# KiCad board Right.kicad_pcb (continued)
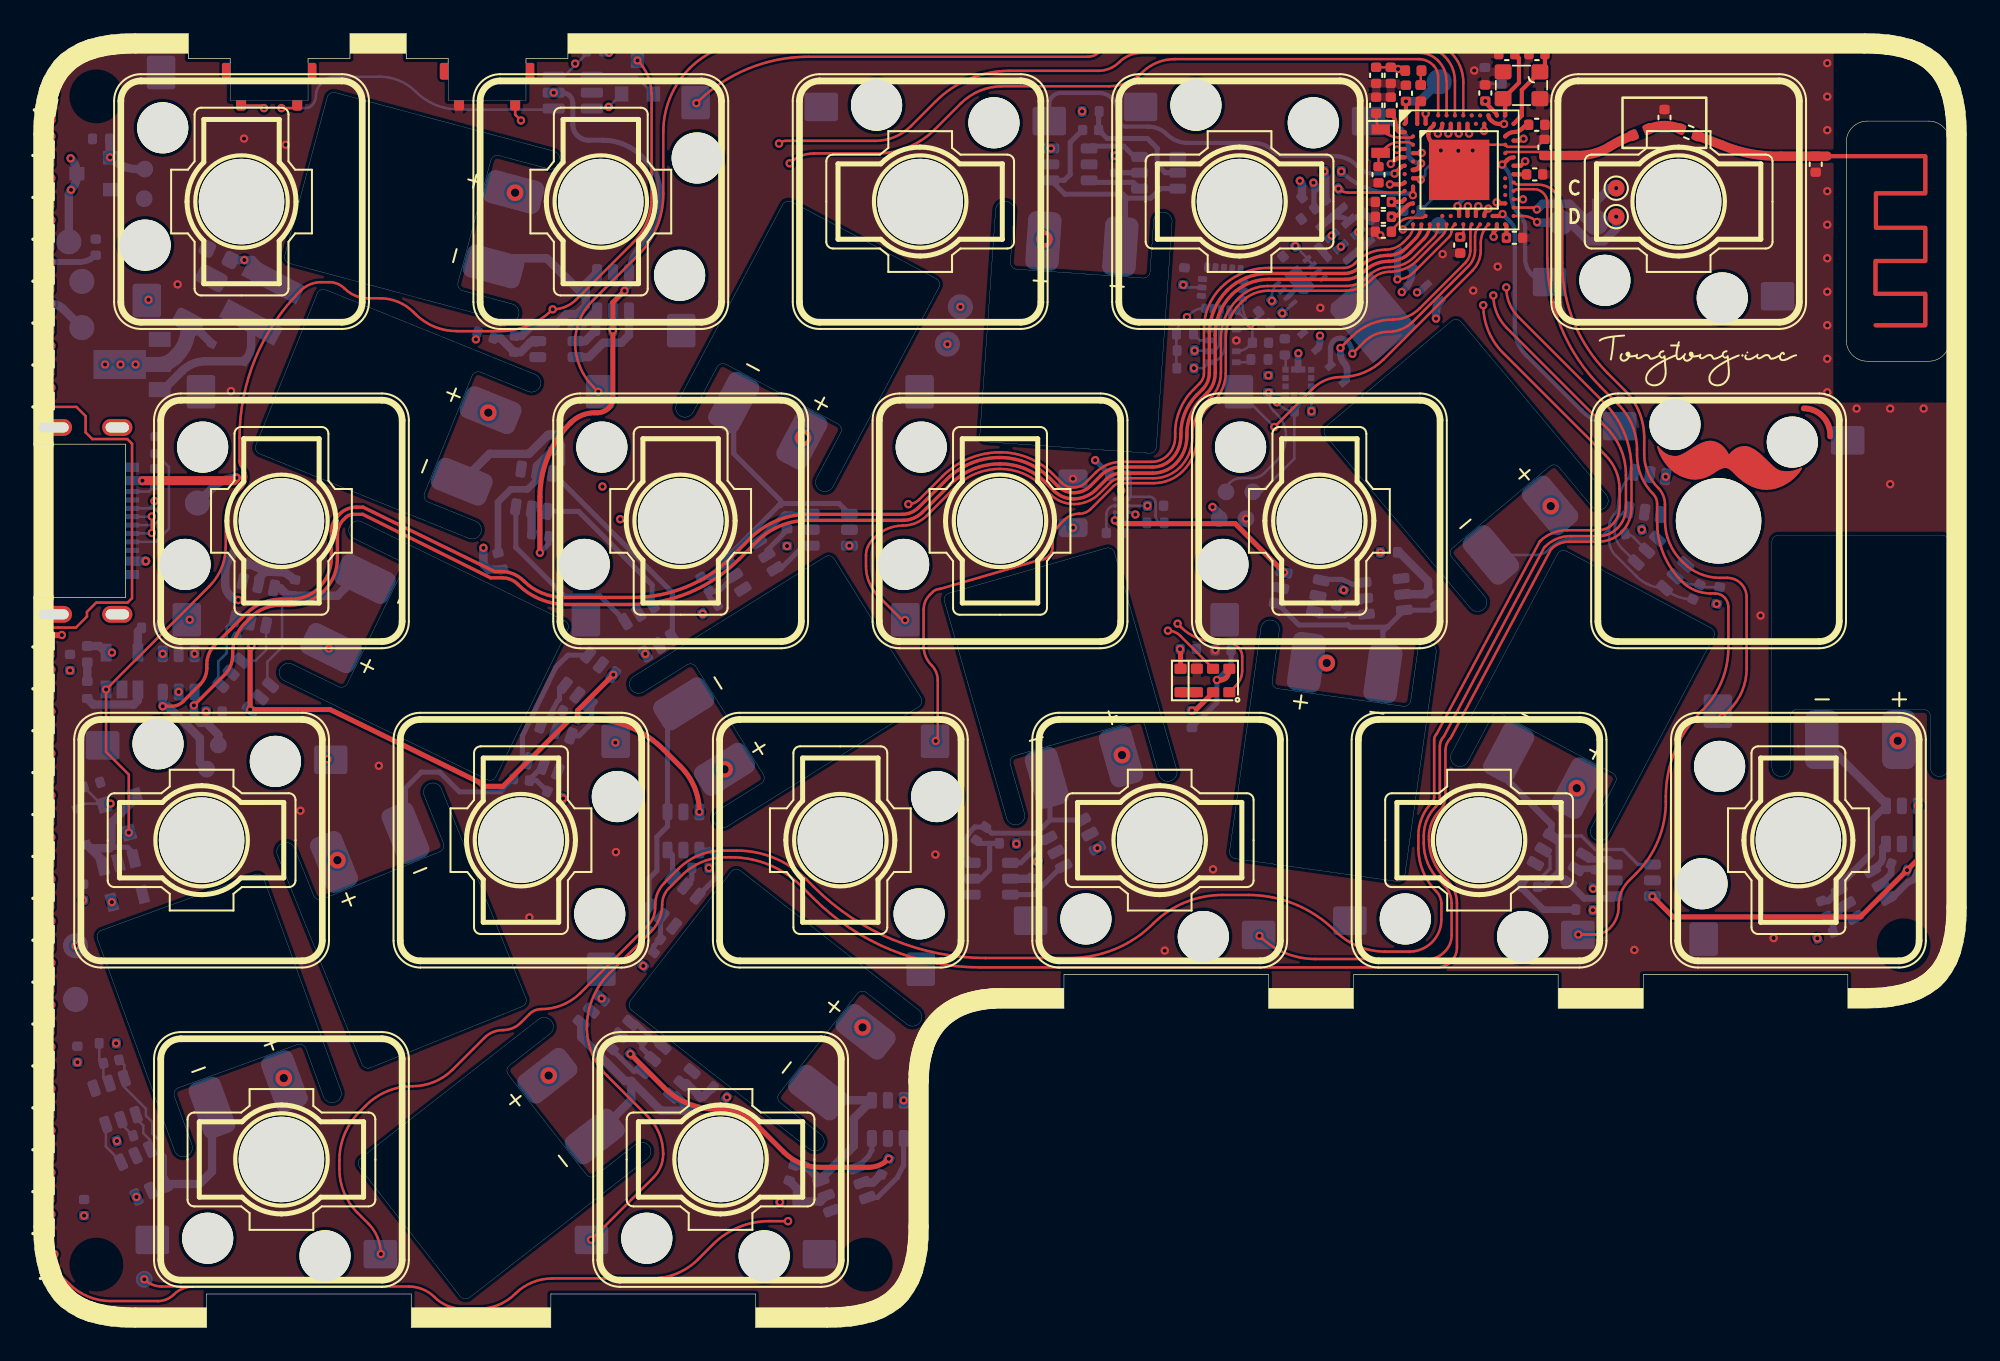
[diagram p0: board, top side]
## Footprints (pads in the part's own frame, mm; a bottom-side part is the same pattern mirrored in y, then rotated) (continued)
SOT-23
  rect 0.9x0.8 smd: 1(-1,0.95) 2(-1,-0.95) 3(1,0)
SOT-23-5
  rect 1.06x0.65 smd: 1(-1.1,0.95) 2(-1.1,0) 3(-1.1,-0.95) 4(1.1,-0.95) 5(1.1,0.95)
SOT-23-6
  rrect 1.325x0.6 smd: 1(-1.137,0.95) 2(-1.137,0) 3(-1.137,-0.95) 4(1.137,-0.95) 5(1.137,0) 6(1.137,0.95)
SOT-23-6-Small
  rrect 1x0.6 smd: 1(-1.137,0.95) 2(-1.137,0) 3(-1.137,-0.95) 4(1.137,-0.95) 5(1.137,0) 6(1.137,0.95)
SOT-89-3
  rect 1.3x0.9 smd: 1(-1.65,1.5) 3(-1.65,-1.5)
  custom 4.6x1.733 smd: 2(-1.562,0)
SPK0415HM4H
  rrect 0.45x0.95 smd: 1(0.425,-0.675) 2(0.425,0.675) 3(-0.425,0.675) 4(-0.425,-0.675)
  rrect 1.3x0.45 smd: 5(0,-1.688) 7(0,1.688)
  rrect 0.45x2.3 smd: 6(1.275,0.05) 8(-1.275,0)
TestPoint_Pad_D1.0mm
  round 1 smd: 1(0,0)
TestPoint_Pad_D1.5mm
  round 1.5 smd: 1(0,0)
USB-C_C168688
  rect 0.54x0.8 smd: A1(-3.205,-0.4) A1(3.195,-0.4) A4(-2.405,-0.4) A4(2.395,-0.4)
  rect 0.3x0.8 smd: A5(1.245,-0.4) A6(0.245,-0.4) A7(-0.255,-0.4) A8(-1.255,-0.4) B5(-1.755,-0.4) B6(-0.755,-0.4) B7(0.745,-0.4) B8(1.753,-0.4)
  oval 1x2.2 hole 0.6x1.8: S1(-5.58,4.3) S2(5.57,4.3)
  oval 1x1.8 hole 0.6x1.4: S3(5.571,0.5) S4(-5.58,0.5)
WLP-9_1.448x1.468mm_Layout3x3_P0.4mm_Ball0.27mm_Pad0.25mm
  round 0.27 smd: A1(-0.4,0.4) A2(0,0.4) A3(0.4,0.4) B1(-0.4,0) B2(0,0) B3(0.4,0) C1(-0.4,-0.4) C2(0,-0.4) C3(0.4,-0.4)
WSON8
  rrect 0.6x0.4 smd: 1(-3.75,1.905) 2(-3.75,0.635) 3(-3.75,-0.635) 4(-3.77,-1.905) 5(3.73,-1.905) 6(3.75,-0.635) 7(3.75,0.635) 8(3.75,1.905)
  rrect 3.4x4.3 smd: 9(0,0)

## Nets
/ExtVcc/GND_EN: Q33.1 R46.1 REF**#9.1 U30.R1
/Filter&Reg/VBAT: C42.1 Q1.3 Q2.3 R40.1 REF**#6.1 U31.B1 U33.3
GND: C16.1 C17.1 C18.1 C19.1 C20.1 C21.2 C22.2 C23.2 C24.1 C25.1 C26.1 C27.1 C28.1 C29.2 C30.2 C31.1 C32.1 C33.1 C34.1 C35.1 C36.1 C37.1 C38.2 C39.1 C40.2 C41.1 C42.2 C43.2 C44.2 C45.1 C46.2 C47.1 C48.1 C49.2 J1.A1 K1.2 K2.2 K3.1 K4.1 K5.1 K6.2 K7.1 K8.2 K9.1 K10.2 K11.1 K12.2 K13.2 K14.2 K15.2 K16.1 K17.2 K18.1 Q33.2 R1.2 R33.2 R34.2 R38.2 R41.2 R42.2 R45.2 R46.2 R47.2 R50.1 REF**#8.1 REF**#15.1 REF**#16.1 REF**#18.1 REF**#19.1 U1.2 U28.2 U29.2 U30.B7 U30.EP U30.F23 U31.A3 U32.1 U33.2 U34.4 U34.8 U34.9 U34.10 U34.11 U34.12 U34.13 U34.15 U35.1 U35.7 U36.2 U36.7 U36.8 U36.9 U37.6 U38.2 U38.5 U38.6 U38.7 U38.8 U39.4 U40.2 U40.3 U40.9 U40.12 X2.2 X2.4
GND1: Q3.3 Q4.3 Q5.3 Q6.3 Q7.3 Q8.3 Q9.3 Q10.3 Q19.3 Q20.3 Q21.3 Q22.3 Q27.3 Q28.3 Q29.3 R2.2 R3.1 R4.1 R5.1 R6.1 R7.1 R8.1 R9.1 R10.1 R19.1 R20.1 R21.1 R22.1 R27.1 R28.1 R29.1 R42.1 REF**#7.1 TH1.2 U2.2 U3.2 U31.C3
VBUS: C21.1 D1.2 D4.2 J1.A4 Q1.1 R1.1 REF**#23.1 U28.5 U30.AD2 U33.4
/BAROMETRIC/CSB: R48.1 U35.2
/BAROMETRIC/NRF_VDD: C24.2 C25.2 C28.2 C31.2 C32.2 C33.2 C43.1 C45.2 C46.1 C47.2 C48.2 L4.1 R35.2 R36.2 R37.2 R48.2 R49.2 R51.2 R52.2 R53.2 R54.2 R55.2 R56.2 REF**#14.1 REF**#21.1 U1.5 U30.A22 U30.AD14 U30.AD23 U30.B1 U30.W1 U30.Y2 U34.1 U34.5 U34.16 U35.6 U35.8 U36.5 U36.6 U37.5 U37.8 U38.1 U39.8 U40.5 U40.6 U40.10
/BAROMETRIC/SDO: R50.2 U35.5
/FLASH/QSPI_CS: U30.AD16 U39.1
/FLASH/QSPI_DATA0: U30.AD12 U39.5
/FLASH/QSPI_DATA1: U30.AD18 U39.2
/FLASH/QSPI_DATA2: U30.AC19 U39.3
/FLASH/QSPI_DATA3: U30.AC17 U39.7
/FLASH/QSPI_SCK: U30.AC15 U39.6
/FuelGauge/BatteryPin: R40.2 R41.1 U30.J1
/Gyro/Gyro_Interupt: R47.1 U30.B19 U34.7
/LEDLane/DIN: REF**#4.1 U27.4 U30.W24
/LEDLane/Led_Ground: Q33.3 REF**#20.1 U4.3 U5.3 U6.3 U7.3 U8.3 U9.3 U10.3 U11.3 U12.3 U13.3 U14.3 U15.3 U16.3 U17.3 U18.3 U19.3 U20.3 U21.3 U22.3 U23.3 U24.3 U25.3 U26.3 U27.3
/LEDLane/Led_Vin: C16.2 C17.2 C18.2 C19.2 C20.2 C44.1 D3.1 REF**#12.1 U4.2 U5.2 U6.2 U7.2 U8.2 U9.2 U10.2 U11.2 U12.2 U13.2 U14.2 U15.2 U16.2 U17.2 U18.2 U19.2 U20.2 U21.2 U22.2 U23.2 U24.2 U25.2 U26.2 U27.2 U32.2
/LIGHT/APDS_IRQ: R54.1 U30.AD22 U37.2
/MCU/BatOffPin: R2.1 U3.3 U30.Y23
/MCU/D+: REF**#10.1 U28.4 U30.AD6
/MCU/D-: REF**#11.1 U28.6 U30.AD4
/MCU/PDM_CLK: U30.H2 U38.3
/MCU/PDM_DAT: U30.G1 U38.4
/MCU/SWC: REF**#2.1 REF**#13.1 U30.AA24
/MCU/SWD: REF**.1 REF**#3.1 U30.AC24
B1-: B1.1 C1.2 Q3.1 Q11.6
B2-: B2.1 C2.2 Q4.1 Q12.6
B3-: B3.1 C3.2 Q5.1 Q13.6
B4-: B4.1 C4.2 Q6.1 Q14.6
B5-: B5.1 C5.2 Q7.1 Q15.6
B6-: B6.1 C6.2 Q8.1 Q16.6
B7-: B7.1 C7.2 Q9.1 Q17.6
B8-: B8.1 C8.2 Q10.1 Q18.6
B9-: B9.1 C9.2 Q19.1 Q23.6
B10-: B10.1 C10.2 Q20.1 Q24.6
B11-: B11.1 C11.2 Q21.1 Q25.6
B12-: B12.1 C12.2 Q22.1 Q26.6
B13-: B13.1 C13.2 Q27.1 Q30.6
B14-: B14.1 C14.2 Q28.1 Q31.6
B15-: B15.1 C15.2 Q29.1 Q32.6
B+: B1.2 B2.2 B3.2 B4.2 B5.2 B6.2 B7.2 B8.2 B9.2 B10.2 B11.2 B12.2 B13.2 B14.2 B15.2 Q2.2 R11.1 R12.1 R13.1 R14.1 R15.1 R16.1 R17.1 R18.1 R23.1 R24.1 R25.1 R26.1 R30.1 R31.1 R32.1 REF**#22.1 U3.6
CC1: J1.A5 R33.1
CC2: J1.B5 R34.1
DCCH: U30.AB2
P0.02: K2.1 U30.A12
P0.03: K18.2 U30.B13
P0.06: K3.2 U30.L1
P0.07: K4.2 U30.M2
P0.08: U30.N1
P0.09: K17.1 U30.L24
P0.10: K5.2 U30.J24
P0.13: K8.1 U30.AD8
P0.14: U30.AC9
P0.15: K13.1 U30.AD10
P0.16: U30.AC11
P0.24: K9.2 U30.AD20
P0.25: K10.1 U30.AC21
P0.28: K1.1 U30.B11
P0.29: K11.2 U30.A10
P0.30: K6.1 U30.B9
P0.31: K12.1 U30.A8
P1.03: U30.V23
P1.04: K15.1 U30.U24
P1.05: U30.T23
P1.06: K16.2 U30.R24
P1.07: U30.P23
P1.12: U30.B17
P1.13: U30.A16
P1.14: K14.1 U30.B15
P1.15: K7.2 U30.A14
PROG: U30.K2
SCL: R36.1 R49.1 R53.1 R55.1 REF**#5.1 U30.T2 U31.A2 U34.2 U35.4 U36.4 U37.7 U40.1
SDA: R37.1 R51.1 R52.1 R56.1 REF**#17.1 U30.U1 U31.C1 U34.3 U35.3 U36.1 U37.1 U40.11
Net-(AE1-Pad1): AE1.1 C40.1 R39.2
Net-(C1-Pad1): C1.1 Q11.5 R11.2
Net-(C2-Pad1): C2.1 Q12.5 R12.2
Net-(C3-Pad1): C3.1 Q13.5 R13.2
Net-(C4-Pad1): C4.1 Q14.5 R14.2
Net-(C5-Pad1): C5.1 Q15.5 R15.2
Net-(C6-Pad1): C6.1 Q16.5 R16.2
Net-(C7-Pad1): C7.1 Q17.5 R17.2
Net-(C8-Pad1): C8.1 Q18.5 R18.2
Net-(C9-Pad1): C9.1 Q23.5 R23.2
Net-(C10-Pad1): C10.1 Q24.5 R24.2
Net-(C11-Pad1): C11.1 Q25.5 R25.2
Net-(C12-Pad1): C12.1 Q26.5 R26.2
Net-(C13-Pad1): C13.1 Q30.5 R30.2
Net-(C14-Pad1): C14.1 Q31.5 R31.2
Net-(C15-Pad1): C15.1 Q32.5 R32.2
Net-(C22-Pad1): C22.1 U30.D2 X1.1
Net-(C23-Pad1): C23.1 U30.F2 X1.2
Net-(C26-Pad2): C26.2 U30.C1
Net-(C27-Pad2): C27.2 U30.AC5
Net-(C29-Pad1): C29.1 C30.1 L1.1 U30.B5 U30.E24
Net-(C34-Pad2): C34.2 U30.N24
Net-(C35-Pad2): C35.2 L3.1 U30.H23
Net-(C36-Pad2): C36.2 U30.A23 X2.3
Net-(C37-Pad2): C37.2 U30.B24 X2.1
Net-(C38-Pad1): C38.1 U30.D23
Net-(C39-Pad2): C39.2 L3.2 R39.1
Net-(C41-Pad2): C41.2 U31.B3
Net-(C49-Pad1): C49.1 U40.4
Net-(D1-Pad1): D1.1 Q1.2 U1.1 U1.3
Net-(D2-Pad1): D2.1 R38.1
Net-(D2-Pad2): D2.2 U30.A20
Net-(D3-Pad2): D3.2 L4.2 U32.3
Net-(D4-Pad1): D4.1 R44.1
Net-(J1-PadA6): J1.A6 J1.B6 U28.3
Net-(J1-PadA7): J1.A7 J1.B7 U28.1
Net-(JP1-Pad1): JP1.1 JP2.2 R35.1 U29.3
Net-(JP1-Pad2): JP1.2 U30.P2
Net-(JP2-Pad1): JP2.1 U30.AC13
Net-(L1-Pad2): L1.2 L2.1
Net-(L2-Pad2): L2.2 U30.B3
Net-(Q2-Pad1): Q2.1 U3.4
Net-(Q10-Pad4): Q10.4 Q18.3
Net-(Q10-Pad6): Q10.6 Q18.1
Net-(Q11-Pad1): Q3.6 Q11.1
Net-(Q11-Pad2): Q11.2 R3.2
Net-(Q11-Pad3): Q3.4 Q11.3
Net-(Q12-Pad1): Q4.6 Q12.1
Net-(Q12-Pad2): Q12.2 R4.2
Net-(Q12-Pad3): Q4.4 Q12.3
Net-(Q13-Pad1): Q5.6 Q13.1
Net-(Q13-Pad2): Q13.2 R5.2
Net-(Q13-Pad3): Q5.4 Q13.3
Net-(Q14-Pad1): Q6.6 Q14.1
Net-(Q14-Pad2): Q14.2 R6.2
Net-(Q14-Pad3): Q6.4 Q14.3
Net-(Q15-Pad1): Q7.6 Q15.1
Net-(Q15-Pad2): Q15.2 R7.2
Net-(Q15-Pad3): Q7.4 Q15.3
Net-(Q16-Pad1): Q8.6 Q16.1
Net-(Q16-Pad2): Q16.2 R8.2
Net-(Q16-Pad3): Q8.4 Q16.3
Net-(Q17-Pad1): Q9.6 Q17.1
Net-(Q17-Pad2): Q17.2 R9.2
Net-(Q17-Pad3): Q9.4 Q17.3
Net-(Q18-Pad2): Q18.2 R10.2
Net-(Q19-Pad4): Q19.4 Q23.3
Net-(Q19-Pad6): Q19.6 Q23.1
Net-(Q20-Pad4): Q20.4 Q24.3
Net-(Q20-Pad6): Q20.6 Q24.1
Net-(Q21-Pad4): Q21.4 Q25.3
Net-(Q21-Pad6): Q21.6 Q25.1
Net-(Q22-Pad4): Q22.4 Q26.3
Net-(Q22-Pad6): Q22.6 Q26.1
Net-(Q23-Pad2): Q23.2 R19.2
Net-(Q24-Pad2): Q24.2 R20.2
Net-(Q25-Pad2): Q25.2 R21.2
Net-(Q26-Pad2): Q26.2 R22.2
Net-(Q27-Pad4): Q27.4 Q30.3
Net-(Q27-Pad6): Q27.6 Q30.1
Net-(Q28-Pad4): Q28.4 Q31.3
Net-(Q28-Pad6): Q28.6 Q31.1
Net-(Q29-Pad4): Q29.4 Q32.3
Net-(Q29-Pad6): Q29.6 Q32.1
Net-(Q30-Pad2): Q30.2 R27.2
Net-(Q31-Pad2): Q31.2 R28.2
Net-(Q32-Pad2): Q32.2 R29.2
Net-(R43-Pad1): R43.1 TH1.1 U31.A1
Net-(R43-Pad2): R43.2 U31.C2
Net-(R44-Pad2): R44.2 U33.1
Net-(R45-Pad1): R45.1 U33.5
Net-(U2-Pad3): U2.3 U3.1
Net-(U4-Pad4): U4.4 U5.1
Net-(U5-Pad4): U5.4 U6.1
Net-(U6-Pad4): U6.4 U7.1
Net-(U7-Pad4): U7.4 U8.1
Net-(U8-Pad4): U8.4 U9.1
Net-(U10-Pad1): U9.4 U10.1
Net-(U10-Pad4): U10.4 U11.1
Net-(U11-Pad4): U11.4 U12.1
Net-(U12-Pad4): U12.4 U13.1
Net-(U13-Pad4): U13.4 U14.1
Net-(U14-Pad4): U14.4 U15.1
Net-(U15-Pad4): U15.4 U16.1
Net-(U16-Pad4): U16.4 U17.1
Net-(U17-Pad4): U17.4 U18.1
Net-(U18-Pad4): U18.4 U19.1
Net-(U19-Pad4): U19.4 U20.1
Net-(U20-Pad4): U20.4 U21.1
Net-(U21-Pad4): U21.4 U22.1
Net-(U22-Pad4): U22.4 U23.1
Net-(U23-Pad4): U23.4 U24.1
Net-(U24-Pad4): U24.4 U25.1
Net-(U25-Pad4): U25.4 U26.1
Net-(U26-Pad4): U26.4 U27.1
Net-(U37-Pad3): U37.3 U37.4

Pads without a net: J1 A8 B8 S1 S2 S3 S4; Q3 2 5; Q4 2 5; Q5 2 5; Q6 2 5; Q7 2 5; Q8 2 5; Q9 2 5; Q10 2 5; Q11 4; Q12 4; Q13 4; Q14 4; Q15 4; Q16 4; Q17 4; Q18 4; Q19 2 5; Q20 2 5; Q21 2 5; Q22 2 5; Q23 4; Q24 4; Q25 4; Q26 4; Q27 2 5; Q28 2 5; Q29 2 5; Q30 4; Q31 4; Q32 4; U1 4; U2 1 4; U3 5; U4 1; U29 1 4; U30 A18; U31 B2; U34 6 14; U36 3; U39 9; U40 7 8

## Via types
v1: diameter 1, hole 0.5, Top to Bottom, 14 vias
v2: diameter 0.5, hole 0.25, Top to Bottom, 322 vias
v3: diameter 0.54, hole 0.25, Top to Bottom, 2 vias

## Routing (per net, layer and track width the routed paths; a pad name or vN(x,y) marks a point on that pad's centre or on a via; arc(x,y) is an arc through that point)
/ExtVcc/GND_EN: length 104.3
  Top w0.25: v2(80.91,68.2) 81.51,68.2 arc(81.66,68.23) U30.R1
  In1.Cu w0.15: v2(4.57,69.81) arc(4.83,71.15) 5.59,72.29 6.3,72.99 arc(6.95,73.43) 7.72,73.58 7.8,73.58 arc(8.52,73.44) 9.13,73.03 9.15,73.01 arc(10.12,72.36) 11.27,72.13 15.12,72.13 arc(15.94,72.3) 16.64,72.76 arc(16.89,73.14) 16.98,73.59 16.98,73.69 arc(17.1,73.99) 17.4,74.11 21.43,74.11 arc(22.68,73.86) 23.75,73.15 arc(24.49,72.66) 25.36,72.48 26.99,72.48 arc(27.41,72.4) 27.77,72.16 27.84,72.09 arc(28.47,71.67) 29.21,71.52 arc(31,71.88) 32.52,72.9 35.43,75.81 arc(35.77,76.04) 36.17,76.11 84.5,76.11 arc(85.66,75.88) 86.65,75.22 arc(87.02,74.66) 87.16,73.99 87.16,71.69 arc(87.01,70.94) 86.58,70.29 85.39,69.11 arc(84.17,68.29) 82.73,68 81.38,68 arc(81.12,68.05) v2(80.91,68.2)
  Bottom w0.5: REF**#9.1 6.21,69.11 arc(5.33,69.29) Q33.1 ; 4.54,69.84 R46.1
/Filter&Reg/VBAT: length 148.8
  Top w0.15: v2(5.68,29.52) 5.68,32.99 4.33,34.34 v2(4.33,38.06) 10.49,44.23 arc(11.21,45.31) 11.47,46.58 11.47,48.24 arc(11.63,49.08) 12.11,49.78 12.39,50.07 arc(12.6,50.38) 12.68,50.75 12.68,50.76 arc(12.62,51.02) 12.48,51.24 arc(12.34,51.45) 12.29,51.7 12.29,53.07 arc(13.23,57.82) 15.93,61.85 arc(16.49,62.23) 17.16,62.36 17.64,62.36 arc(18.14,62.27) 18.56,61.98 arc(19.2,61.56) 19.96,61.4 20.67,61.4 arc(21.75,61.19) 22.66,60.58 22.78,60.46 arc(23.91,59.71) 25.24,59.44 27.83,59.44 arc(29.53,59.78) v2(30.97,60.74) arc(31.72,60.89) 32.37,61.32 35.75,64.71 arc(36.58,65.94) 36.87,67.4 36.87,73.57 arc(36.65,74.66) v2(36.03,75.59)
  In2.Cu w0.15: v2(66.45,49.03) 66.45,48.53 arc(66.37,48.16) 66.17,47.86 arc(65.82,47.63) 65.41,47.54 64.38,47.54 arc(63.95,47.63) 63.59,47.87 61.11,50.35 arc(59.47,51.45) 57.53,51.83 arc(55.62,51.46) 54.01,50.38 53.94,50.3 arc(53.36,49.92) 52.68,49.78 52.47,49.78 arc(51.95,49.68) 51.51,49.39 51.26,49.13 arc(50.7,48.76) 50.05,48.63 46,48.63 arc(44.41,48.95) 43.06,49.85 40.53,52.38 arc(39.85,52.83) 39.05,52.99 arc(37.64,53.27) 36.45,54.07 31.81,58.71 arc(31.19,59.64) v2(30.97,60.74)
  In2.Cu w0.2: v2(66.45,49.03) 66.48,49.07 arc(66.74,49.45) 66.83,49.89 66.83,50.59 arc(66.92,51.04) 67.17,51.41 67.27,51.51 arc(67.44,51.78) 67.51,52.09 68.23,60.56 arc(68.3,60.94) 68.52,61.26 68.75,61.49 arc(69.2,61.8) 69.74,61.9 70.06,61.9 arc(71.36,62.16) 72.46,62.9 73.81,64.25 arc(75.09,66.16) v2(75.54,68.41)
  In2.Cu w0.5: v2(2.51,22.77) 2.51,23.17 arc(2.68,24.04) 3.17,24.78 4.1,25.71 arc(5.27,27.46) v2(5.68,29.52)
  Bottom w0.15: U31.B1 v2(66.45,49.03)
  Bottom w0.5: R40.1 75.66,68.11 arc(75.63,68.27) v2(75.54,68.41)
GND: length 9.7
  Top w0.15: 86.54,70.56 U30.F23 87.91,70.44 89.68,70.44 C35.1
  Top w0.25: U30.B7 arc(83.52,71.75) 83.49,71.7 83.32,71.52 arc(83.23,71.39) 83.2,71.23 83.2,71.19 arc(83.25,70.93) 83.4,70.7
  Bottom w0.3: U36.2 75.55,62.22 ; U36.7 76.04,62.42 U36.9 ; U38.7 79.26,66.33 arc(78.83,66.24) U38.2 arc(78.19,66.19) 77.87,66.25 U38.6
  vias: v2(2.4,1.37) v2(4.78,0.62) v2(7.28,0.55) v2(8.6,62.23) v2(9.78,0.55) v2(11.78,55.86) v2(12.56,70.93) v2(15.05,70.56) v2(15.92,30.83) v2(20.6,33.51) v2(29.58,24.46) v2(34.74,28.36) v2(43.58,0.55) v2(46.08,0.55) v2(48.57,0.61) v2(50.95,1.36) v2(52.46,3.35) v2(52.83,13.32) v2(52.83,10.82) v2(52.83,8.32) v2(52.83,5.82) v2(52.91,15.82) v2(53.8,28.21) v2(53.89,18.12) v2(56.03,19.4) v2(58.52,19.6) v2(60.94,19.6) v2(62,50.64) v2(67.48,22.48) v2(70.36,27.33) v2(70.5,40.42) v2(71.75,58.89) v2(72.33,48.25) v2(74.95,19.6) v2(76.76,60.83) v2(77.45,19.6) v2(80.34,65.16) v2(83.95,70.22) v2(84.05,64.04) v2(84.99,70.21) v2(85.85,70.22) v2(85.94,74.99) v2(85.88,61.86) v2(87.34,63.29) v2(91.4,76.64) v2(92.12,19.6) v2(93.4,76.64) v2(94.62,19.6) v2(95.4,76.64) v2(95.49,22.52) v2(97.4,76.64) v2(99.4,76.64) v2(101.4,76.64) v2(103.02,42.47) v2(103.4,76.64) v2(103.8,23.23) v2(105.4,76.64) v2(107,75.43) v2(107,73.43) v2(107,71.43) v2(107,67.79) v2(107,65.79) v2(107,63.79) v2(107,61.79) v2(107,59.79) v2(107,57.79) v2(107,55.79) v2(108.75,54.82) v2(108.78,19.6) v2(110.75,54.82) v2(110.75,50.31) v2(111.27,19.79) v2(112.75,54.82) v2(113.5,20.92) v2(114.58,23.17) v2(114.75,54.82) v2(114.74,53.17) v2(114.74,50.67) v2(114.74,48.17) v2(114.74,45.67) v2(114.74,43.17) v2(114.74,40.67) v2(114.74,38.17) v2(114.74,35.67) v2(114.74,33.17) v2(114.74,30.67) v2(114.74,28.17) v2(114.74,25.67)
GND1: length 386.6
  Top w0.15: U2.2 13.6,72.9 v2(13.75,72.75)
  Top w0.3: v2(64.5,48.15) 64.7,47.95 71.69,47.95 v2(74.59,45.05) ; v2(96.56,25.72) 97.79,24.49 108.97,24.49 v2(111.76,27.28) 112.41,27.93 v2(112.41,31.12) ; v2(13,40.71) 12.92,40.63 v2(12.92,36.87) 17.69,36.87 26.58,32.53 26.82,32.28 28,32.28 32.03,36.31 v2(32.46,36.31) ; v2(30.21,46.22) 30.21,49.57 arc(30.68,51.95) 32.03,53.96 32.04,53.98 arc(32.7,54.42) 33.48,54.57 33.62,54.57 arc(34,54.65) 34.31,54.86 arc(34.49,55.13) 34.56,55.45 v2(34.56,59.48) 34.56,61.16 v2(35.26,61.85) ; v2(32.46,36.31) 33.13,36.31 arc(35.55,35.83) 37.6,34.46 38.6,33.46 arc(39.43,32.22) v2(39.72,30.76) ; v2(32.46,36.31) 32.46,36.82 v2(34.59,38.95) ; v2(35.6,16.31) 37.6,14.32 arc(39.03,13.36) 40.73,13.02 arc(42.08,12.75) 43.24,11.98 44.76,10.46 arc(45.76,9.79) 46.95,9.55 49.79,9.55 arc(50.45,9.69) v2(51.02,10.06)
  In1.Cu w0.3: v2(96.56,25.72) 96.56,27.34 arc(97.7,33.07) 100.95,37.92 arc(101.78,39.16) 102.07,40.63 102.07,43.26 arc(101.96,43.81) 101.65,44.27 arc(101.14,44.61) 100.54,44.73 99.89,44.73 arc(98.88,44.93) 98.02,45.51 v2(95.93,47.6) ; v2(95.93,47.6) 95.93,48.8 97.36,50.22 v2(97.36,50.76) ; v2(95.93,47.6) 92.29,47.6 arc(91.04,47.35) 89.99,46.64 88.83,45.49 arc(88.47,44.94) 88.34,44.29 arc(88.18,43.5) 87.73,42.83 87.39,42.48 arc(86.6,41.96) 85.67,41.77 85.5,41.77 arc(84.43,41.99) 83.52,42.59 83.3,42.81 arc(81.99,43.69) 80.45,43.99 v2(78.15,43.99) 77.14,43.99 arc(75.76,44.27) v2(74.59,45.05) ; 56.67,61.4 56.16,60.89 v2(55.29,60.89) ; 56.67,61.4 56.11,53.44 56.09,53.42 56.09,52.18 56.53,51.74 ; 56.67,61.4 57.03,66.56 57.03,67.92 59.46,70.34 v2(60.69,70.34) ; v2(62,47.72) 63.45,47.72 arc(64.02,47.83) v2(64.5,48.15) arc(63.63,49.46) 63.33,50.99 v2(63.33,51.74) 56.53,51.74 ; 56.53,51.74 53.38,48.6 arc(52.52,48.03) 51.51,47.82 arc(49.97,47.52) v2(48.66,46.64) ; v2(34.59,38.95) 35.35,39.71 arc(35.88,40.06) v2(36.49,40.19) arc(36.67,41.06) 37.16,41.8 39.02,43.66 arc(40.2,44.45) 41.6,44.72 arc(42.94,44.99) 44.07,45.75 v2(44.95,46.62)
  In2.Cu w0.15: v2(13.75,72.75) 14.1,72.39 arc(14.28,72.28) 14.49,72.23 15.41,72.23 arc(15.93,72.34) 16.38,72.63 arc(16.59,72.96) 16.67,73.33 16.67,73.48 arc(16.76,73.95) 17.03,74.34 arc(17.41,74.6) 17.87,74.69 20.25,74.69 arc(21.7,74.41) 22.93,73.58 arc(23.89,72.94) 25.03,72.71 28.71,72.71 arc(29.97,72.96) v2(31.03,73.67) 31.67,73.67 arc(32.61,73.86) 33.41,74.39 33.8,74.79 arc(34.19,75.37) v2(34.33,76.05)
  In2.Cu w0.3: v2(44.95,46.62) 45.87,47.55 47.99,47.55 48.66,46.88 v2(48.66,46.64) ; v2(93.03,26.18) 93.48,25.72 v2(96.56,25.72) ; v2(35.6,16.31) 35.02,16.9 arc(34.18,18.16) v2(33.89,19.63) arc(34.14,20.91) 34.86,21.99 v2(40.29,27.41) arc(39.86,28.05) 39.72,28.79 v2(39.72,30.76) ; v2(64.53,69.9) 61.13,69.9 v2(60.69,70.34) ; v2(63.46,28.6) 61.83,28.6 arc(60.77,28.39) v2(59.87,27.79) 55.34,23.25 arc(53.92,21.12) 53.42,18.61 arc(53.35,18.26) 53.15,17.97 53.15,17.96 arc(52.58,17.11) 52.38,16.11 52.38,14.69 arc(52.25,14.07) v2(51.91,13.55) 51.91,12.21 arc(51.68,11.05) v2(51.02,10.06) 50.38,9.43 arc(47.64,7.6) 44.41,6.95 arc(42.35,6.54) 40.6,5.38 39.51,4.28 arc(38.11,3.35) 36.46,3.02 32.09,3.02 arc(30.81,2.77) 29.73,2.04 arc(28.21,1.03) 26.42,0.67 25.96,0.67 arc(24.91,0.88) 24.03,1.47 23.73,1.77 arc(23.03,2.24) 22.22,2.4 11.65,2.4 arc(9.49,2.83) 7.66,4.05 arc(6.54,5.73) 6.14,7.71 v2(6.14,7.79) 6.14,8.3 arc(5.84,9.83) v2(4.97,11.13) ; v2(30.21,46.22) arc(30.36,45.45) 30.8,44.79 34.63,40.96 arc(35.49,40.39) v2(36.49,40.19)
  Bottom w0.15: 64.5,48.63 v2(64.5,48.15)
  Bottom w0.3: v2(30.21,46.22) 30.74,46.76 R3.1 ; v2(35.26,61.85) 35.52,62.12 Q8.3 arc(35.68,63.78) 36.16,64.49 36.54,64.86 arc(37.17,65.81) 37.39,66.92 37.39,67.65 arc(37.18,68.68) 36.6,69.55 36.27,69.88 arc(35.21,70.59) 33.97,70.83 33.13,70.83 arc(32.75,70.91) 32.43,71.12 arc(32.23,71.41) 32.17,71.75 32.17,73.03 arc(31.98,73.49) 31.53,73.67 ; 64.19,50.88 v2(63.33,51.74)
VBUS: length 102.5
  Top w0.15: U30.AD2 82.29,65.74 arc(82.21,65.35) 81.99,65.01 81.73,64.76 arc(81.23,64.42) 80.64,64.3 arc(79.71,64.12) 78.93,63.6 78.82,63.48 arc(78.52,63.28) 78.16,63.21 73.66,63.21 arc(72.13,62.91) 70.84,62.04 arc(70.08,60.91) 69.82,59.58 69.82,56.94 arc(69.75,56.61) 69.57,56.33 69.17,55.94 arc(68.38,54.75) 68.1,53.34 68.1,53.11 arc(67.98,52.53) 67.65,52.04 arc(67.21,51.75) 66.7,51.64 64.89,51.64 arc(64.06,51.48) 63.37,51.01 62.78,50.43 arc(62.43,50.2) 62.03,50.11 arc(61.64,50.19) 61.31,50.41 60.81,50.91 arc(59.37,51.88) 57.67,52.21 arc(55.8,51.84) 54.22,50.79 52.81,49.38 arc(52.52,49.19) v2(52.18,49.12)
  Top w0.54: v2(12.1,50.69) 11.93,50.52 v3(6.5,50.52)
  In2.Cu w0.15: v2(12.1,50.69) arc(12.5,50.96) 12.98,51.05 14.82,51.05 arc(15.86,50.85) 16.75,50.25 16.77,50.23 arc(17.84,49.52) 19.11,49.26 25.66,46.14 27.44,45.51 arc(28.04,45.63) 28.55,45.97 30.93,48.36 arc(31.95,49.04) 33.15,49.27 arc(34.27,49.5) 35.23,50.14 36.29,51.2 arc(37.35,51.91) 38.6,52.15 arc(40.14,51.85) 41.45,50.97 42.76,49.66 arc(44.25,48.67) 46.02,48.31 50.24,48.31 arc(51.29,48.52) v2(52.18,49.12)
  Bottom w0.15: D1.2 2.89,31.25 v2(4.6,31.25) 3.99,31.25 R1.1
  Bottom w0.5: D4.2 3.93,40.66 U33.4 v2(4.68,40.26) ; REF**#23.1 10.7,50.11 arc(11.34,50.54) v2(12.1,50.69)
  Bottom w0.54: J1.A4 v3(6.5,50.52) ; J1.A4 v3(6.7,45.72)
  vias: v2(8.66,37.92) v2(10.3,36.75)
/BAROMETRIC/CSB: length 1.1
  Bottom w0.15: R48.1 69.57,58.89 70.15,58.89
/BAROMETRIC/NRF_VDD: length 146.4
  Top w0.15: 85.29,65.24 U30.AD14
  Top w0.25: v2(81,67.15) 81.63,67.15 U30.W1 ; 86.66,73.02 87.23,72.45 arc(87.27,72.39) U30.A22 ; v2(81.87,73.15) 81.87,71.89 U30.B1 ; U30.AD23 87.86,65.74 v2(87.86,65.01) ; v2(81,66.26) arc(81.26,66.32) 81.49,66.47 81.94,66.92 arc(82.1,67.03) U30.Y2
  Top w0.3: U37.5 68.42,40.41 arc(68.41,40.45) v2(68.39,40.48) ; v2(70.59,38.63) 70.83,38.63 arc(70.99,38.66) 71.13,38.75 arc(71.28,38.98) 71.33,39.25
  In2.Cu w0.25: 67,46.96 64.29,46.96 arc(63.71,47.08) 63.23,47.4 60.72,49.91 arc(59.22,50.91) 57.45,51.26 arc(55.89,50.95) 54.56,50.07 53.61,49.11 arc(52.34,48.27) 50.85,47.97 45.73,47.97 arc(43.94,48.33) 42.41,49.35 41.14,50.63 arc(40.01,51.38) 38.68,51.64 arc(37.53,51.42) 36.56,50.77 35.51,49.72 arc(34.43,49) 33.16,48.74 arc(32.06,48.53) 31.13,47.9 28.85,45.62 arc(28.21,45.2) 27.46,45.05 27.27,45.05 25.44,45.76 25.43,45.78 19.17,48.76 arc(18.75,48.68) 18.39,48.44 18.31,48.35 arc(18.09,48.02) 18.01,47.63 18.01,47.6 arc(17.8,46.54) 17.2,45.64 arc(16.49,45.12) 15.65,44.84 12.35,44.84 arc(11.91,44.93) 11.53,45.18 11.1,45.61
  In2.Cu w0.5: v2(12.58,63.69) 12.58,53.11 arc(12.41,52.28) 11.95,51.58 arc(11.32,50.64) 11.1,49.53 11.1,36.55 arc(10.92,35.66) 10.41,34.9 7.64,32.12 arc(6.79,30.86) 6.5,29.37 6.5,29.1 arc(6.15,27.35) 5.16,25.86 v2(4.67,25.38)
  Bottom w0.15: v2(72.6,59.85) 71.86,60.6 ; v2(72.6,59.85) 73.09,60.34 ; v2(72.6,59.85) arc(72.68,59.74) 72.71,59.6 C45.2 72.51,58.55 arc(72.16,58.32) U35.6 ; v2(72.6,59.85) arc(72.23,60.41) 72.1,61.06 U34.16 ; v2(72.6,59.85) arc(72.6,59.86) 72.61,59.86 R52.2 ; v2(72.6,59.85) arc(72.25,59.62) 71.84,59.54 ; v2(76.23,54.66) 76.23,55.63 ; 75.96,63.81 v2(75.26,64.51) ; R35.2 81.51,66.64 v2(81,67.15) ; U40.6 U40.5 ; 68.18,57.25 R48.2 arc(68.25,59.62) 68.45,59.93 v2(68.8,60.28) 68.98,60.46 arc(69.37,60.72) U34.5 ; 76.29,63.43 U36.5
  Bottom w0.3: 77.15,67.38 R37.2 arc(77.12,67.39) 77.15,67.51 77.15,68.59 arc(77.11,68.8) v2(76.99,68.97) ; C48.2 71.43,39.47 v2(70.59,38.63) 70.59,37.27 R54.2
  Bottom w0.4: v2(75.45,58.12) 75.43,58.11 75.43,57.16
  Bottom w0.5: C43.1 12.57,63.68 v2(12.58,63.69) 13.05,63.69 L4.1 ; v2(70.33,48.95) 70.73,48.55 REF**#21.1 ; REF**#14.1 82.68,73.15 v2(81.87,73.15) ; v2(83.66,60.19) 83.66,60.61 arc(83.72,60.94) U39.8
  vias: v2(73.66,56.8) v2(77.44,65.14) v2(85.1,65.05) v2(86.6,73.17)
/BAROMETRIC/SDO: length 0.7
  Bottom w0.15: 72.45,57.59 U35.5
/FLASH/QSPI_CS: length 14.1
  Top w0.15: v2(77.96,58.44) 78.64,59.12 arc(79.76,59.87) 81.09,60.13 arc(81.95,60.31) 82.67,60.79 85.4,63.51 arc(85.63,63.86) 85.71,64.26 85.71,65.62 arc(85.73,65.72) U30.AD16
  Bottom w0.4: 78.34,56.57 U39.1 arc(78.31,56.62) 78.36,56.86 78.36,57.11 arc(78.31,57.34) 78.18,57.54 arc(78.01,57.79) 77.96,58.07 v2(77.96,58.44)
/FLASH/QSPI_DATA0: length 6.7
  Top w0.15: U30.AD12 84.72,65.75 arc(84.62,65.59) 84.58,65.39 arc(84.54,65.22) 84.44,65.07 82.3,62.92 arc(81.86,62.64) v2(81.36,62.53)
  Bottom w0.4: 81.36,64.04 U39.5 arc(81.38,64.03) 81.36,63.91 v2(81.36,62.53)
/FLASH/QSPI_DATA1: length 14.9
  Top w0.15: v2(78.67,58.09) 79.39,58.82 arc(80.04,59.25) 80.81,59.4 arc(81.61,59.56) 82.29,60.02 85.59,63.31 arc(85.88,63.76) 85.99,64.28 85.99,65.09 arc(86.06,65.48) U30.AD18
  Bottom w0.3: U39.2 77.35,58.39 arc(77.4,58.65) 77.55,58.86 arc(77.72,58.98) 77.93,59.02 77.98,59.02 arc(78.17,58.99) 78.34,58.88 78.35,58.86 arc(78.59,58.51) v2(78.67,58.09)
/FLASH/QSPI_DATA2: length 15
  Top w0.25: v2(86.78,66.76) 86.68,66.65 arc(86.57,66.5) U30.AC19
  In1.Cu w0.15: v2(86.78,66.76) arc(86.46,66.27) 86.35,65.7 86.35,65.66 arc(86.2,64.93) 85.79,64.32 82.85,61.38 arc(81.72,60.62) 80.38,60.35 79.59,60.35 arc(78.04,60.05) v2(76.74,59.17)
  Bottom w0.4: v2(76.74,59.17) 76.74,58.84 arc(76.68,58.57) U39.3
/FLASH/QSPI_DATA3: length 8
  Top w0.25: U30.AC17 86.04,66.55 arc(86.07,66.74) v2(86.18,66.89)
  In1.Cu w0.15: v2(82.53,61.75) arc(82.64,61.78) 82.73,61.84 85.42,64.53 arc(85.8,65.09) 85.93,65.74 85.93,66.29 arc(85.99,66.62) v2(86.18,66.89)
  Bottom w0.4: U39.7 82.74,61.84 arc(82.64,61.78) v2(82.53,61.75)
/FLASH/QSPI_SCK: length 8.8
  Top w0.25: U30.AC15 85.54,66.87 v2(85.56,66.89)
  In1.Cu w0.15: v2(81.62,61.77) 81.75,61.9 arc(82,62.28) 82.09,62.72 arc(82.17,63.15) 82.41,63.51 85.39,66.49 arc(85.52,66.67) v2(85.56,66.89)
  Bottom w0.4: 81.62,61.79 v2(81.62,61.77) 81.76,61.92 arc(82.15,62.49) U39.6
/FuelGauge/BatteryPin: length 19.2
  Top w0.25: v2(80.96,69.42) 81.17,69.63 arc(81.37,69.77) 81.62,69.81 U30.J1
  In1.Cu w0.15: v2(76.35,68.3) 76.35,68.95 arc(76.39,69.18) 76.53,69.38 arc(76.69,69.5) 76.89,69.53 78.07,69.53 arc(78.28,69.49) 78.46,69.37 arc(78.57,69.21) 78.61,69.01 78.61,68.29 arc(78.49,67.72) 78.17,67.24 77.28,66.35 arc(76.92,65.81) 76.8,65.18 arc(76.87,64.8) 77.08,64.49 arc(77.72,64.06) 78.47,63.91 78.47,63.91 arc(78.93,64.01) 79.32,64.26 79.5,64.45 arc(79.77,64.85) 79.87,65.33 79.87,66.78 arc(80.15,68.21) v2(80.96,69.42)
  Bottom w0.15: 76.47,68.18 v2(76.35,68.3)
  Bottom w0.3: 76.38,66.88 76.38,67.83 arc(76.4,67.95) R40.2
/Gyro/Gyro_Interupt: length 24.9
  Top w0.25: U30.B19 86.54,71.41 v2(86.52,71.39)
  In1.Cu w0.15: v2(68.58,62.21) 68.76,62.21 arc(71.65,62.78) 74.1,64.41 74.12,64.43 arc(74.82,65.49) 75.07,66.73 75.07,68.43 arc(75.16,68.91) 75.43,69.3 75.45,69.32 arc(76.02,69.71) 76.7,69.84 76.9,69.84 arc(77.79,70.02) 78.55,70.53 78.8,70.77 arc(79.56,71.28) 80.46,71.46 82.04,71.46 arc(82.54,71.36) 82.98,71.07 arc(83.36,70.82) 83.82,70.72 85.63,70.72 arc(85.9,70.78) 86.14,70.93 86.47,71.27 arc(86.51,71.32) v2(86.52,71.39)
  Bottom w0.15: U34.7 68.74,62.05
/LEDLane/DIN: length 137.6
  Top w0.15: U30.W24 88.84,67.31 v2(88.85,67.31) ; v2(45.01,6.34) 43.87,6.34 arc(42.07,5.99) 40.54,4.96 39.63,4.06 arc(38.37,3.22) 36.89,2.92 30.93,2.92 arc(29.74,2.69) 28.74,2.01 arc(27.74,1.35) 26.56,1.11 25.59,1.11 arc(24.69,1.29) 23.93,1.8 arc(23.22,2.28) 22.38,2.44 9.52,2.44 ; U27.4 2.12,2.6 arc(3.26,1.84) 4.6,1.57 7.42,1.57 arc(7.93,1.68) 8.37,1.97 arc(8.9,2.32) 9.52,2.44 ; 9.52,2.44 7.64,2.44 arc(7.08,2.56) v2(6.61,2.87)
  In1.Cu w0.15: v2(45.01,6.34) 45.16,6.34 arc(46.88,6.68) 48.33,7.65 arc(49.37,9.22) 49.74,11.06 49.74,11.89 arc(50.23,14.4) 51.65,16.52 56.65,21.52 arc(57.8,23.24) 58.21,25.27 arc(58.57,27.09) 59.6,28.64 60.92,29.95 arc(63.25,31.52) 66.01,32.06 67.15,32.06 arc(68.18,32.27) 69.06,32.85 arc(69.66,33.76) 69.88,34.83 69.88,40.74 arc(69.57,42.3) 68.69,43.61 arc(68.1,44.49) 67.9,45.52 67.9,48.39 arc(68.06,49.2) 68.52,49.88 arc(69.16,50.85) 69.39,51.98 69.39,53.24 arc(69.45,53.57) 69.64,53.85 69.74,53.94 arc(70.26,54.29) 70.87,54.41 74.18,54.41 arc(74.6,54.5) 74.96,54.73 arc(75.13,55) 75.2,55.31 75.2,55.6 arc(75.37,56.48) 75.87,57.23 77.18,58.53 arc(77.68,58.87) 78.26,58.98 79.61,58.98 arc(81.49,59.36) 83.09,60.42 86.11,63.45 arc(86.67,63.82) 87.34,63.95 arc(87.8,64.05) 88.19,64.31 88.45,64.56 arc(88.74,65.01) 88.85,65.53 v2(88.85,67.31)
/LEDLane/Led_Ground: length 39.2
  Top w0.35: U4.3 v2(0.41,72.13) ; U13.3 v2(0.36,37.66) ; U25.3 v2(0.36,7.66) ; U17.3 v2(0.36,27.66) ; v2(0.36,54.55) U11.3 ; v2(1.02,2.68) U27.3 ; U16.3 v2(0.36,30.16) ; U10.3 v2(0.36,56.98) ; U14.3 v2(0.36,35.16) ; U23.3 v2(0.36,12.66) ; U5.3 v2(0.36,69.48) ; U20.3 v2(0.36,20.16) ; U6.3 v2(0.36,66.98) ; U19.3 v2(0.36,22.66) ; U8.3 v2(0.36,61.98) ; U9.3 v2(0.36,59.48) ; U21.3 v2(0.36,17.66) ; U7.3 v2(0.36,64.48) ; U15.3 v2(0.36,32.66) ; U18.3 v2(0.36,25.16) ; U24.3 v2(0.36,10.16) ; U22.3 v2(0.36,15.16) ; U12.3 v2(0.36,40.16) ; v2(0.36,5.17) U26.3
  In1.Cu w0.3: v2(0.36,54.55) 2.41,54.55 2.8,54.16 2.8,53.56 3.43,52.93 5.51,52.93 5.77,52.67 5.77,43.51 5.57,43.32 3.46,43.32 3.12,42.97 3.12,41.13 2.14,40.16 v2(0.36,40.16)
  Bottom w0.5: REF**#20.1 2.11,67.56 arc(2.14,67.73) v2(2.24,67.87) arc(2.5,68.26) 2.59,68.72 ; 2.59,68.86 arc(2.49,69.34) v2(2.22,69.75)
/LEDLane/Led_Vin: length 46.4
  Top w0.35: U20.2 v2(1.06,21.75) ; U27.2 v2(1.24,4.38) ; U7.2 v2(1.06,66.07) ; U19.2 v2(1.06,24.25) ; U17.2 v2(1.06,29.25) ; U26.2 v2(1.06,6.75) ; U6.2 v2(1.06,68.57) ; U16.2 v2(1.06,31.75) ; U24.2 v2(1.06,11.75) ; U10.2 v2(1.06,58.57) ; U22.2 v2(1.06,16.75) ; U5.2 v2(1.06,71.07) ; U8.2 v2(1.06,63.57) ; U18.2 v2(1.06,26.75) ; U4.2 v2(1.25,73.59) ; U13.2 v2(1.06,39.25) ; U23.2 v2(1.06,14.25) ; U11.2 v2(1.06,56.07) ; U15.2 v2(1.06,34.25) ; U25.2 v2(1.06,9.25) ; U21.2 v2(1.06,19.25) ; v2(1.69,41.31) 1.68,41.3 U12.2 ; U9.2 v2(1.06,61.07) ; U14.2 v2(1.06,36.75)
  In2.Cu w0.3: v2(1.69,41.31) 2.33,41.31 3.09,42.07 3.06,42.1 3.06,42.85 3.52,43.32 5.58,43.32 5.78,43.51 5.78,52.66 5.51,52.93 3.59,52.93 3.17,53.35 3.17,54.27 1.37,56.07 v2(1.06,56.07)
  In2.Cu w0.5: 2.8,57.43 2.82,57.45 v2(4.27,57.45) v2(6.09,57.45)
  Bottom w0.35: v2(1.06,63.57) 2.73,63.57 arc(3.26,63.68) C16.2
  Bottom w0.5: REF**#12.1 1.75,60.79 arc(1.43,61) v2(1.06,61.07) ; D3.1 9.32,60
  Bottom w0.9: C44.1 9.22,59.65 arc(9.04,58.74) 8.53,57.96 8.43,57.86 arc(7.97,57.56) U32.2 7.9,57.45
  vias: v2(2.18,39.2) v2(2.62,15.82) v2(2.96,25.49) v2(3.02,6.67) v2(5.19,57.45)
/LIGHT/APDS_IRQ: length 43.5
  Top w0.25: U30.AD22 87.29,65.54 87.1,65.35 v2(87.1,65.07)
  Top w0.3: v2(69.1,36.8) 69.28,36.8 70.36,37.88
  In1.Cu w0.15: v2(69.1,36.8) 69.1,41.42 arc(68.93,42.26) 68.46,42.96 arc(67.66,44.15) 67.39,45.55 67.39,48.45 arc(67.57,49.4) 68.11,50.2 68.3,50.38 arc(68.8,51.14) 68.98,52.03 68.98,53.18 arc(69.43,54.26) 70.51,54.71 74.19,54.71 arc(74.46,54.77) 74.7,54.93 74.73,54.95 arc(74.86,55.15) 74.91,55.39 74.91,55.68 arc(75.09,56.62) 75.62,57.41 76.77,58.56 arc(78.11,59.45) 79.69,59.76 arc(81.63,60.15) 83.27,61.25 v2(87.1,65.07)
/MCU/BatOffPin: length 70
  Top w0.25: v2(87.28,67.13) 87.34,67.06 U30.Y23
  In1.Cu w0.15: v2(32.31,75.4) arc(33.87,76.45) 35.71,76.81 86.57,76.81 arc(87.6,76.61) 88.48,76.02 arc(89.24,74.88) 89.51,73.54 89.51,73.48 arc(89.3,72.43) 88.7,71.54 87.56,70.4 arc(87.06,69.65) 86.89,68.77 86.89,68.07 arc(86.99,67.56) v2(87.28,67.13)
  Bottom w0.15: U3.3 31.63,74.62 32.99,75.98
/MCU/D+: length 99.3
  Top w0.2: v2(9.57,37.11) 11.4,38.95 arc(11.75,39.48) 11.88,40.09 11.88,40.25 arc(12.07,41.21) 12.61,42.01 12.97,42.37 arc(13.76,42.91) 14.71,43.09 15.29,43.09 arc(16.39,43.31) 17.32,43.93 arc(17.92,44.83) 18.13,45.89 18.13,47.3 arc(18.23,47.79) 18.51,48.21 18.62,48.33 arc(18.83,48.47) 19.07,48.51 19.64,48.51 27.27,44.72 27.97,44.72 arc(28.47,44.63) 28.89,44.34 arc(30.23,43.45) 31.81,43.13 35.57,43.13 arc(39.1,43.84) 42.09,45.84 43.15,46.89 arc(44.54,47.83) 46.19,48.15 51.86,48.15 arc(52.49,48.28) 53.02,48.64 54.69,50.3 arc(56.04,51.21) 57.63,51.52 57.68,51.52 arc(59.15,51.23) 60.39,50.4 60.88,49.92 arc(61.41,49.56) 62.04,49.43 arc(62.76,49.58) 63.37,49.99 63.98,50.59 arc(64.4,50.88) 64.89,50.97 66.77,50.97 arc(67.51,51.12) 68.13,51.54 arc(68.62,52.28) 68.8,53.14 68.8,53.34 arc(69.02,54.45) 69.65,55.39 70,55.74 arc(70.36,56.29) 70.49,56.93 70.49,59.23 arc(70.74,60.53) 71.48,61.62 arc(72.48,62.3) 73.67,62.53 78.25,62.53 arc(78.85,62.65) 79.36,62.99 arc(80.04,63.45) 80.85,63.61 arc(81.54,63.75) 82.12,64.14 82.93,64.94 arc(83.19,65.34) U30.AD6
  Bottom w0.2: U28.4 9.61,37.15 v2(9.57,37.11)
  Bottom w0.5: REF**#10.1 11.03,35.35 10.31,36.07 9.95,36.07 9.57,36.45 v2(9.57,37.11)
